# Altium PCB sumpower.PcbDoc
Units mil, origin at the board's own origin, x right, y up, seen from the top; angles counter-clockwise.
Board outline 3937.01 x 3937.01 mil, 2 copper layers (Top Layer, Bottom Layer); 112 components, 15 nets, 320 pads, 1710 vias.
Unrouted connection lines stored in the file: 1.
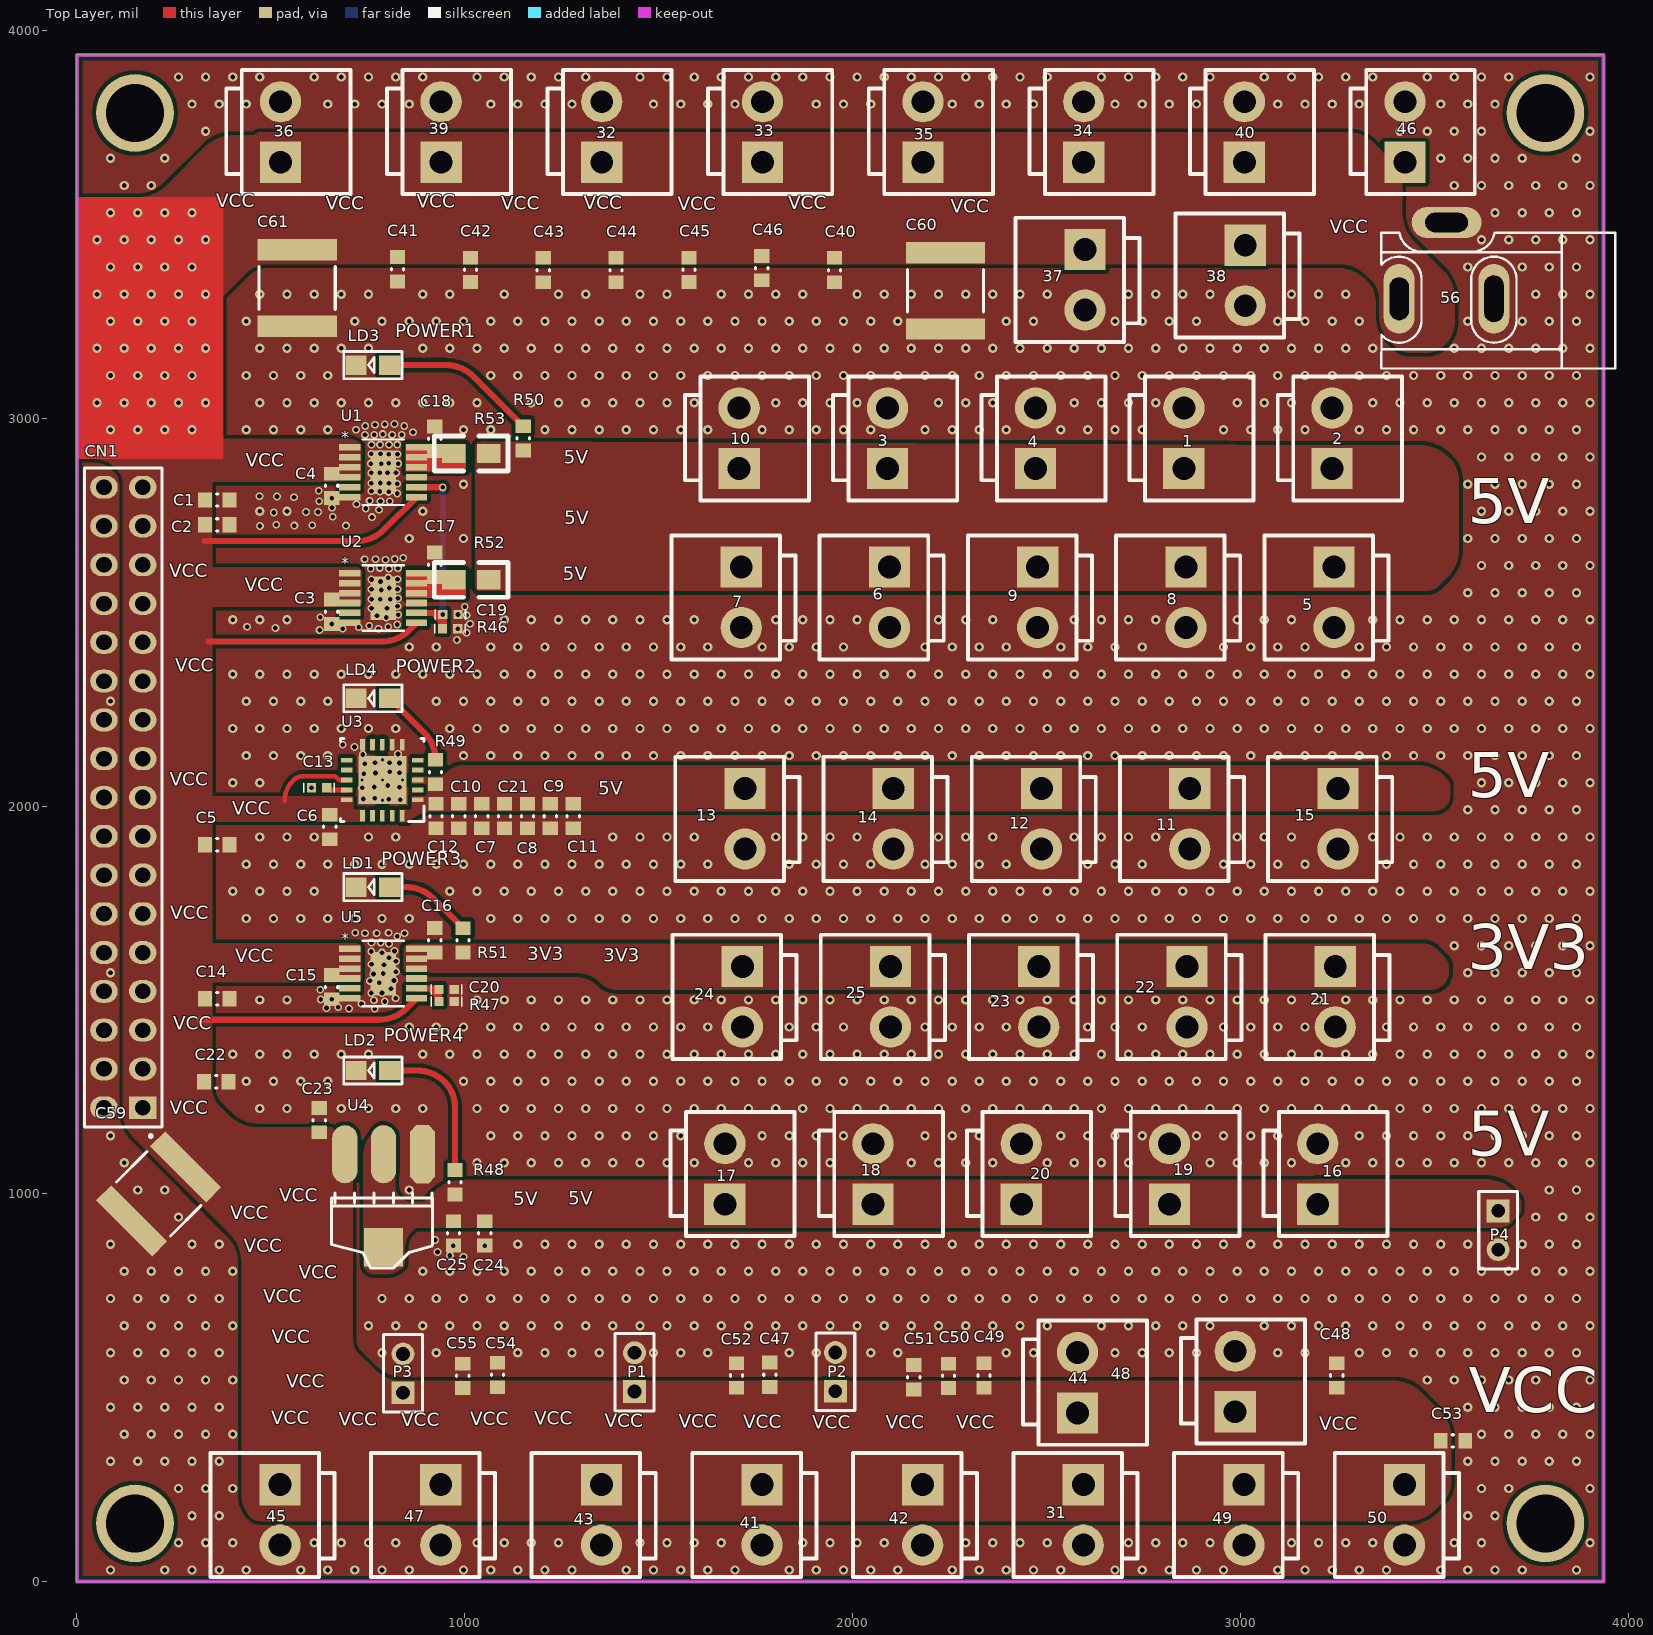
[diagram p0: Top Layer view]
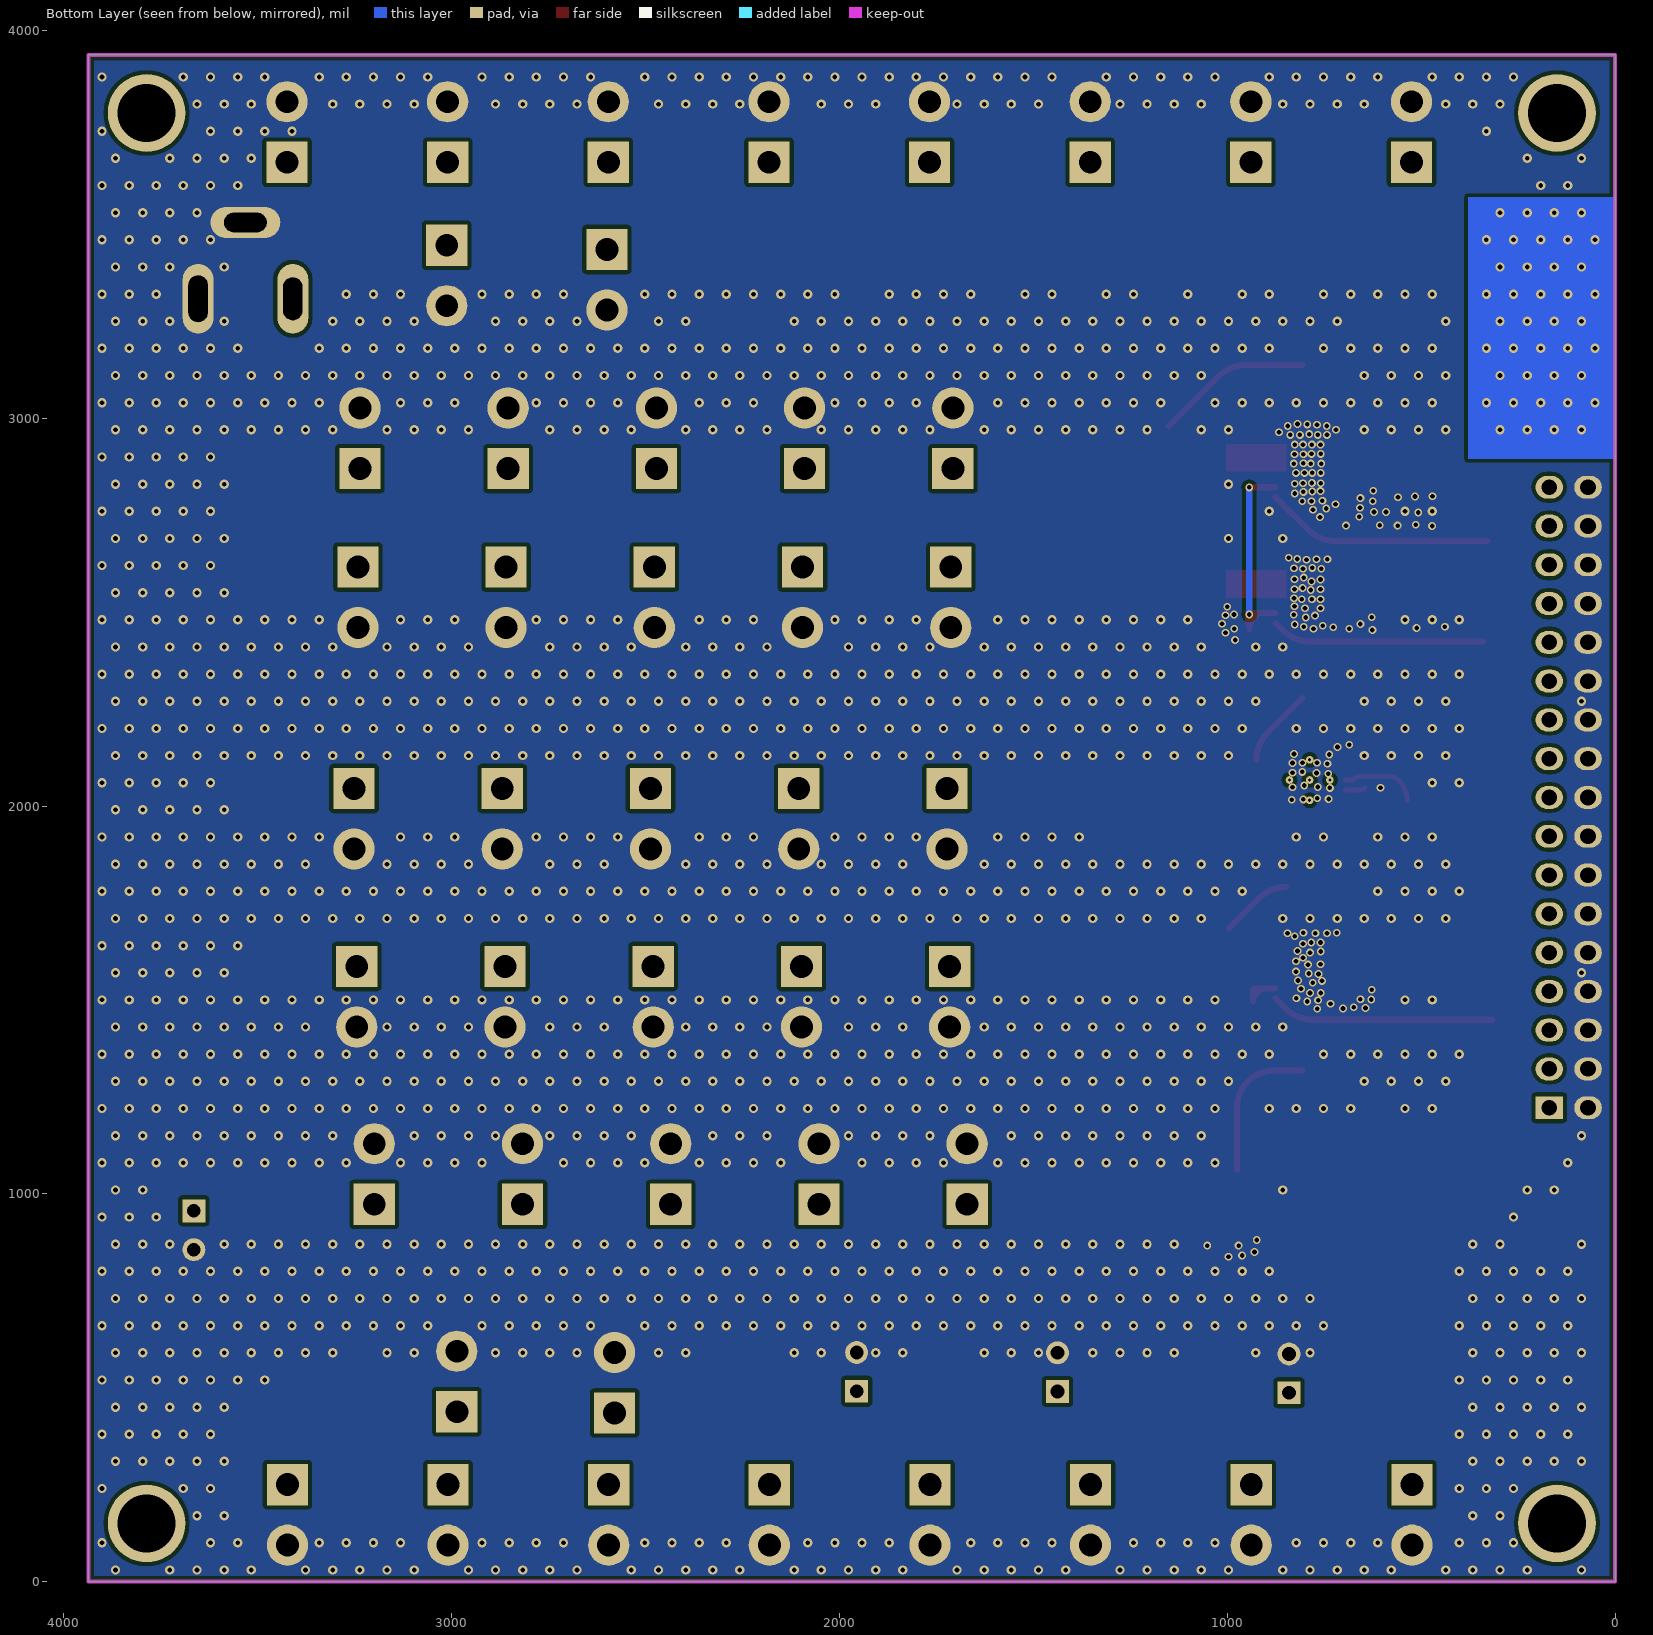
[diagram p1: Bottom Layer view, seen from below]

## Layer stack, top to bottom
Top Solder: solder mask 0.4, Solder Resist, Dk 3.5
Top Layer: signal copper 1.4
Dielectric 1: dielectric 12.6, FR-4, Dk 4.8
Bottom Layer: signal copper 1.4
Bottom Solder: solder mask 0.4, Solder Resist, Dk 3.5

## Board outline
0,0 3937.01,0 3937.01,3937.01 0,3937.01

## Design rules (kind name [scope] priority, off if disabled: settings)
Clearance [All] p1: gap=10 ignorepadtopadclearanceinfootprint=FALSE except(0: Arc-Hole Track-Hole SMDPad-Hole THPad-Hole Via-Hole Fill-Hole Poly-Hole Region-Hole Text-Hole)
PlaneConnect [All] p1: planeconnectstyle=Direct reliefexpansion=20 reliefentries=4 reliefconductorwidth=10 reliefairgap=10
PolygonConnect [All] p1: connectstyle=Direct reliefconductorwidth=10 reliefentries=4 polygonreliefangle="90 Angle" airgapwidth=10
RoutingVias [All] p1: holewidth=28 width=50 viastyle="Through Hole" minholewidth=28 minwidth=50 maxholewidth=28 maxwidth=50
SolderMaskExpansion [All] p1: expansion=4
Width [All] p1: maxlimit=50 minlimit=10 preferedwidth=16
29 further rules are at their usual default settings.

## Components (designator, comment, footprint, x,y, rotation, side; value= is the part's Value field where it differs from the comment)
1 "3.96" 3.96 2854.56,2947.95 r90 top
2 "3.96" 3.96 3236.78,2947.95 r90 top
3 "3.96" 3.96 2090.12,2947.95 r90 top
4 "3.96" 3.96 2472.34,2947.95 r90 top
5 "3.96" 3.96 3242.1,2538.05 r270 top
6 "3.96" 3.96 2095.44,2538.05 r270 top
7 "3.96" 3.96 1713.22,2538.05 r270 top
8 "3.96" 3.96 2859.88,2538.05 r270 top
9 "3.96" 3.96 2477.66,2538.05 r270 top
10 "3.96" 3.96 1707.9,2947.95 r90 top
11 "3.96" 3.96 2869.78,1967.05 r270 top
12 "3.96" 3.96 2487.56,1967.05 r270 top
13 "3.96" 3.96 1723.12,1967.05 r270 top
14 "3.96" 3.96 2105.34,1967.05 r270 top
15 "3.96" 3.96 3252,1967.05 r270 top
16 "3.96" 3.96 3199.88,1050.95 r90 top
17 "3.96" 3.96 1671,1050.95 r90 top
18 "3.96" 3.96 2053.22,1050.95 r90 top
19 "3.96" 3.96 2817.66,1050.95 r90 top
20 "3.96" 3.96 2435.44,1050.95 r90 top
21 "3.96" 3.96 3245,1508.05 r270 top
22 "3.96" 3.96 2862.78,1508.05 r270 top
23 "3.96" 3.96 2480.56,1508.05 r270 top
24 "3.96" 3.96 1716.12,1508.05 r270 top
25 "3.96" 3.96 2098.34,1508.05 r270 top
31 "3.96" 3.96 2595.33,172 r270 top
32 "3.96" 3.96 1353.67,3738 r90 top
33 "3.96" 3.96 1767.89,3738 r90 top
34 "3.96" 3.96 2596.33,3738 r90 top
35 "3.96" 3.96 2182.11,3738 r90 top
36 "3.96" 3.96 525.22,3738 r90 top
37 "3.96" 3.96 2600,3356.95 r270 top
38 "3.96" 3.96 3013,3368 r270 top
39 "3.96" 3.96 939.44,3738 r90 top
40 "3.96" 3.96 3010.55,3738 r90 top
41 "3.96" 3.96 1766.89,172 r270 top
42 "3.96" 3.96 2181.11,172 r270 top
43 "3.96" 3.96 1352.67,172 r270 top
44 "3.96" 3.96 2580,512.95 r90 top
45 "3.96" 3.96 524.22,172 r270 top
46 "3.96" 3.96 3424.78,3738 r90 top
47 "3.96" 3.96 938.45,172 r270 top
48 "3.96" 3.96 2987,515.95 r90 top
49 "3.96" 3.96 3009.56,172 r270 top
50 "3.96" 3.96 3423.78,172 r270 top
56 "DC005" DC10B 3829,3478 r180 top
C1 "10uf" 0603C 362,2789 r180 top
C2 "10uf" 0603C 362,2725 r180 top
C3 "10uf" 0603C 657,2501 r90 top
C4 "10uf" 0603C 657,2825.5 r90 top
C5 "10uf" 0603C 362,1900 r180 top
C6 "10uf" 0603C 652,1946 r90 top
C7 "10uf" 0603C 1044,1974 r90 top
C8 "10uf" 0603C 1162,1974 r90 top
C9 "10uf" 0603C 1221,1974 r90 top
C10 "10uf" 0603C 985,1974 r90 top
C11 "10uf" 0603C 1280,1974 r90 top
C12 "10uf" 0603C 926,1974 r90 top
C13 "1uf" 0402 605,2047 r0 top
C14 "10uf" 0603C 362,1503 r180 top
C15 "10uf" 0603C 657,1533 r90 top
C16 "10uf" 0603C 923,1654 r270 top
C17 "10uf" 0603C 923,2622 r270 top
C18 "10uf" 0603C 923,2947 r270 top
C19 "4.7uf" 0402 982.74,2494 r180 top
C20 "4.7uf" 0402 973.37,1527 r180 top
C21 "10uf" 0603C 1103,1974 r90 top
C22 "10uf" 0603C 359.5,1289 r180 top
C23 "10uf" 0603C 625,1190 r270 top
C24 "10uf" 0603C 1052,898 r90 top
C25 "10uf" 0603C 971,898 r90 top
C40 "4.7uf" 0603C 1954,3382 r270 top
C41 "4.7uf" 0603C 827,3384 r270 top
C42 "4.7uf" 0603C 1014.83,3382.5 r270 top
C43 "4.7uf" 0603C 1202.67,3382 r270 top
C44 "4.7uf" 0603C 1390.5,3382 r270 top
C45 "4.7uf" 0603C 1578.33,3382.5 r270 top
C46 "4.7uf" 0603C 1766.17,3387 r270 top
C47 "4.7uf" 0603C 1787,533.5 r90 top
C48 "4.7uf" 0603C 3249,531.5 r90 top
C49 "4.7uf" 0603C 2339,531.5 r90 top
C50 "4.7uf" 0603C 2248,530.5 r90 top
C51 "4.7uf" 0603C 2158,527 r90 top
C52 "4.7uf" 0603C 1701,531.5 r90 top
C53 "4.7uf" 0603C 3548.5,363 r0 top
C54 "4.7uf" 0603C 1085,533 r90 top
C55 "4.7uf" 0603C 995,530.5 r90 top
C59 "Cap Pol3" 2220 211,1000 r225 top value=100pF
C60 "Cap Pol3" 2220 2240,3328.43 r270 top value=100pF
C61 "Cap Pol3" 2220 568,3336 r270 top value=100pF
CN1 "Header 17X2_Female" HDR_17x2_2R54_V_F 170,1222 r90 top
LD1 "LED" SMDLED 807.04,1790.94 r180 top
LD2 "LED" SMDLED 807.03,1317.94 r180 top
LD3 "LED" SMDLED 807.04,3136.94 r180 top
LD4 "LED" SMDLED 807.04,2277.94 r180 top
P1 "Header 2" HDR1X2 1438,490 r90 top
P2 "Header 2" HDR1X2 1956,491 r90 top
P3 "Header 2" HDR1X2 841,487 r90 top
P4 "Header 2" HDR1X2 3665,956 r270 top
R46 "25k" 0402 982.37,2457 r180 top
R47 "33k" 0402 973.37,1496 r180 top
R48 "33k" 0603R 975,1030 r90 top
R49 "33k" 0603R 925,2087.5 r90 top
R50 "33k" 0603R 1151,2948 r90 top
R51 "33k" 0603R 996,1653.5 r90 top
R52 "20m" 0805 1062,2582.94 r180 top
R53 "20m" 0805 972,2909.06 r0 top
U1 "LT3045EMSE" MSOP12-MSE-RevG_ADI 789.98,2860.59 r0 top
U2 "LT3045EMSE" MSOP12-MSE-RevG_ADI 789.98,2536.2 r0 top
U3 "TPS7A4701QRGWRQ1" RGW0020A 787.75,2067 r180 top value=Value
U4 "AMS1117-5" AMS1117 891.03,1101.94 r180 top
U5 "LT3045EMSE" MSOP12-MSE-RevG_ADI 789.98,1568 r0 top

## Footprints (in the part's own frame and the unit in brackets; to place one, negate y for a bottom-side part, rotate by r counter-clockwise, add the part's x,y. Pads: shape width x height; smd on the part's side, far side on the other; paste and mask are expansions set on the pad)
3.96 [mm] "接插件，25V/5A"
  rect 2.7x2.7 hole 1.5: 1(-1.98,0)
  round 2.7 hole 1.5: 2(1.982,0)
  silkscreen extent -4.06,-4.57 4.07,3.56, body extent -3.98,-4.4 4.03,4.16, height 10.5
0402 [mm]
  rect 0.6x0.6 smd: 1(0,0) 2(1,0)
  silkscreen extent -0.5,-0.3 1.5,0.3
0603C [mm] "Chip Capacitor, Body 1.6x0.8mm, Height 1.0mm, IPC Medium Density"
  rect 0.9x1 smd: 1(-0.8,0) 2(0.8,0)
  silkscreen extent -0.05,-0.4 0.05,0.4, body extent -0.88,-0.48 0.88,0.47, height 1
0603R [mm] "Chip Resistor, Body 1.6x0.8mm, IPC Medium Density"
  rect 0.9x1 smd: 1(-0.8,0) 2(0.8,0)
  silkscreen extent -0.05,-0.4 0.05,0.4, body extent -0.85,-0.47 0.85,0.47, height 0.6
0805 [mil]
  rect 60x50 smd: 1(0,-0.06) 2(90,-0.06)
  silkscreen extent -50,-45 140,45
2220 [mm] "Chip Capacitor, Body 5.7x5.0mm, IPC High Density"
  rect 1.4x5.2 smd: 1(-2.5,0) 2(2.5,0)
  silkscreen extent -1.4,-2.5 1.4,2.5, body extent -2.95,-2.63 2.95,2.63, height 1.4
AMS1117 [mil]
  oct 65x150 smd: 1(0.03,-0.06)
  oval 65x150 smd: 2(100.03,-0.06) 3(200.03,-0.06)
  rect 100x100 smd: 4(100.03,239.94)
  silkscreen extent -26,100 234,293
DC10B [mil]
  oval 80x180 hole 50 slot 110 at 90 deg: 1(419.09,170)
  oval 80x180 hole 50 slot 120 at 90 deg: 2(175,170)
  oval 180x80 hole 50 slot 110 at 0 deg: 3(297.05,-26.85)
  silkscreen extent -138,0 465,350
HDR1X2 [mm]
  rect 1.5x1.5 hole 0.9: 1(0,0)
  round 1.5 hole 0.9: 2(2.54,0)
  silkscreen extent -1.27,-1.27 3.81,1.27
HDR_17x2_2R54_V_F [mm] "Female Header, Pitch 2.54mm, 2x17 Position, Mated Height 6mm, Tail Length 3mm"
  rect 1.5x1.8 hole 1.02: 1(0,0)
  oval 1.5x1.8 hole 1.02: 2(0,2.54) 3(2.54,0) 4(2.54,2.54) 5(5.08,0) 6(5.08,2.54) 7(7.62,0) 8(7.62,2.54) 9(10.16,0) 10(10.16,2.54) 11(12.7,0) 12(12.7,2.54) 13(15.24,0) 14(15.24,2.54) 15(17.78,0) 16(17.78,2.54) 17(20.32,0) 18(20.32,2.54) 19(22.86,0) 20(22.86,2.54) 21(25.4,0) 22(25.4,2.54) 23(27.94,0) 24(27.94,2.54) 25(30.48,0) 26(30.48,2.54) 27(33.02,0) 28(33.02,2.54) 29(35.56,0) 30(35.56,2.54) 31(38.1,0) 32(38.1,2.54) 33(40.64,0) 34(40.64,2.54)
  silkscreen extent -1.91,-1.27 41.91,3.81, body extent -1.27,-1.27 41.91,3.81, height 8.64
MSOP12-MSE-RevG_ADI [mm]
  rect 1.393x0.431 smd paste+0 mask+0: 1(-2.185,1.625) 2(-2.185,0.975) 3(-2.185,0.325) 4(-2.185,-0.325) 5(-2.185,-0.975) 6(-2.185,-1.625) 7(2.185,-1.625) 8(2.185,-0.975) 9(2.185,-0.325) 10(2.185,0.325) 11(2.185,0.975) 12(2.185,1.625)
  rect 1.651x2.845 smd paste-1.41 mask+0: EPAD(0,0)
  silkscreen extent -1.36,-2.15 1.36,2.15, body extent 0,0 0.25,0.25, height 0.25
RGW0020A [mm]
  rect 0.75x0.31 smd paste+0 mask+0: 1(-2.325,1.3) 2(-2.325,0.65) 3(-2.325,0) 4(-2.325,-0.65) 5(-2.325,-1.3) 11(2.325,-1.3) 12(2.325,-0.65) 13(2.325,0) 14(2.325,0.65) 15(2.325,1.3)
  rect 0.31x0.75 smd paste+0 mask+0: 6(-1.3,-2.325) 7(-0.65,-2.325) 8(0,-2.325) 9(0.65,-2.325) 10(1.3,-2.325) 16(1.3,2.325) 17(0.65,2.325) 18(0,2.325) 19(-0.65,2.325) 20(-1.3,2.325)
  rect 3.15x3.15 smd paste-1.562 mask+0: 21(0,0)
  round 0.5 hole 0.203 mask+0: V(-1.325,0) V(0,1.325) V(0,0) V(0,-1.325) V(1.325,0)
  silkscreen extent -2.73,-2.73 2.73,2.73, body extent 0,0 0.25,0.25, height 0.25
SMDLED [mm]
  rect 1.4x1.27 smd: 1(0.001,-0.002) 2(2.211,-0.002)
  silkscreen extent -0.8,-0.89 3.01,0.89

## Part data
C1 C2 C3 C4 C5 C6 C7 C8 C9 C10 C11 C12 C13 C14 C15 C16 C17 C18 C19 C20 C21 C22 C23 C24 C25 C40 C41 C42 C43 C44 C45 C46 C47 C48 C49 C50 C51 C52 C53 C54 C55: library part C, "Capacitor"
C59 C60 C61: "Polarized Capacitor (Surface Mount)", LatestRevisionDate=29-May-2009, LatestRevisionNote="IPC-7351 Footprint Added.", PackageDescription="Chip Capacitor", PackageReference=C0805, Published=8-Jun-2000, Publisher="Altium Limited"
CN1: "Header, 17-Pin, Dual row,female", Publisher="Altium Limited", Revision="17-Jul-2002: Re-released for DXP Platform."
LD1 LD2 LD3 LD4: "Typical RED, GREEN, YELLOW, AMBER GaAs LED", PackageDocument=Feb-2002, LatestRevisionDate=17-Jul-2002, LatestRevisionNote="Re-released for DXP Platform.", PackageReference=3.2X1.6X1.1, Published=8-Jun-2000, Publisher="Altium Limited"
P1 P2 P3 P4: "Header, 2-Pin", LatestRevisionDate=17-Jul-2002, LatestRevisionNote="Re-released for DXP Platform.", Publisher="Altium Limited"
R46 R47 R48 R49 R50 R51 R52 R53: library part Resistor, "Resistor"
U1 U2 U5: "No Description Available", Built_By=SunStream, Copyright="Copyright (C) 2018 Accelerated Designs. All rights reserved", Manufacturer_Part_Number=LT3045EMSE, RefDes=RefDes, SourceLibrary=Analog_Devices_Inc_2020-09-15, Type=DEV, Vendor="Analog Devices Inc"
U3: "No Description Available", Manufacturer="Texas Instruments", Copyright="Copyright (C) 2018 Accelerated Designs. All rights reserved", PartNumber=TPS7A4701QRGWRQ1, RefDes=RefDes, Type=DEV
U4: library part AMS1117

## Free pads (board coordinates)
  round 200 hole 150: 3(150,150) 3(150,3787.01) 3(3787.01,150) 3(3787.01,3787.01)

## Via types
v1: diameter 24, hole 12, Top Layer to Bottom Layer, tented both sides, 1541 vias
v2: diameter 20, hole 12, Top Layer to Bottom Layer, tented both sides, 169 vias
